# Altium PCB PCBv1.1.PcbDoc (part 1 of 2)
Units mil, origin at the board's own origin, x right, y up, seen from the top; angles counter-clockwise.
Board outline 3700.79 x 5244.09 mil, 2 copper layers (Top Layer, Bottom Layer), stack 63.6 mil thick; 127 components, 113 nets, 554 pads, 1072 vias.
Unrouted connection lines stored in the file: 3.
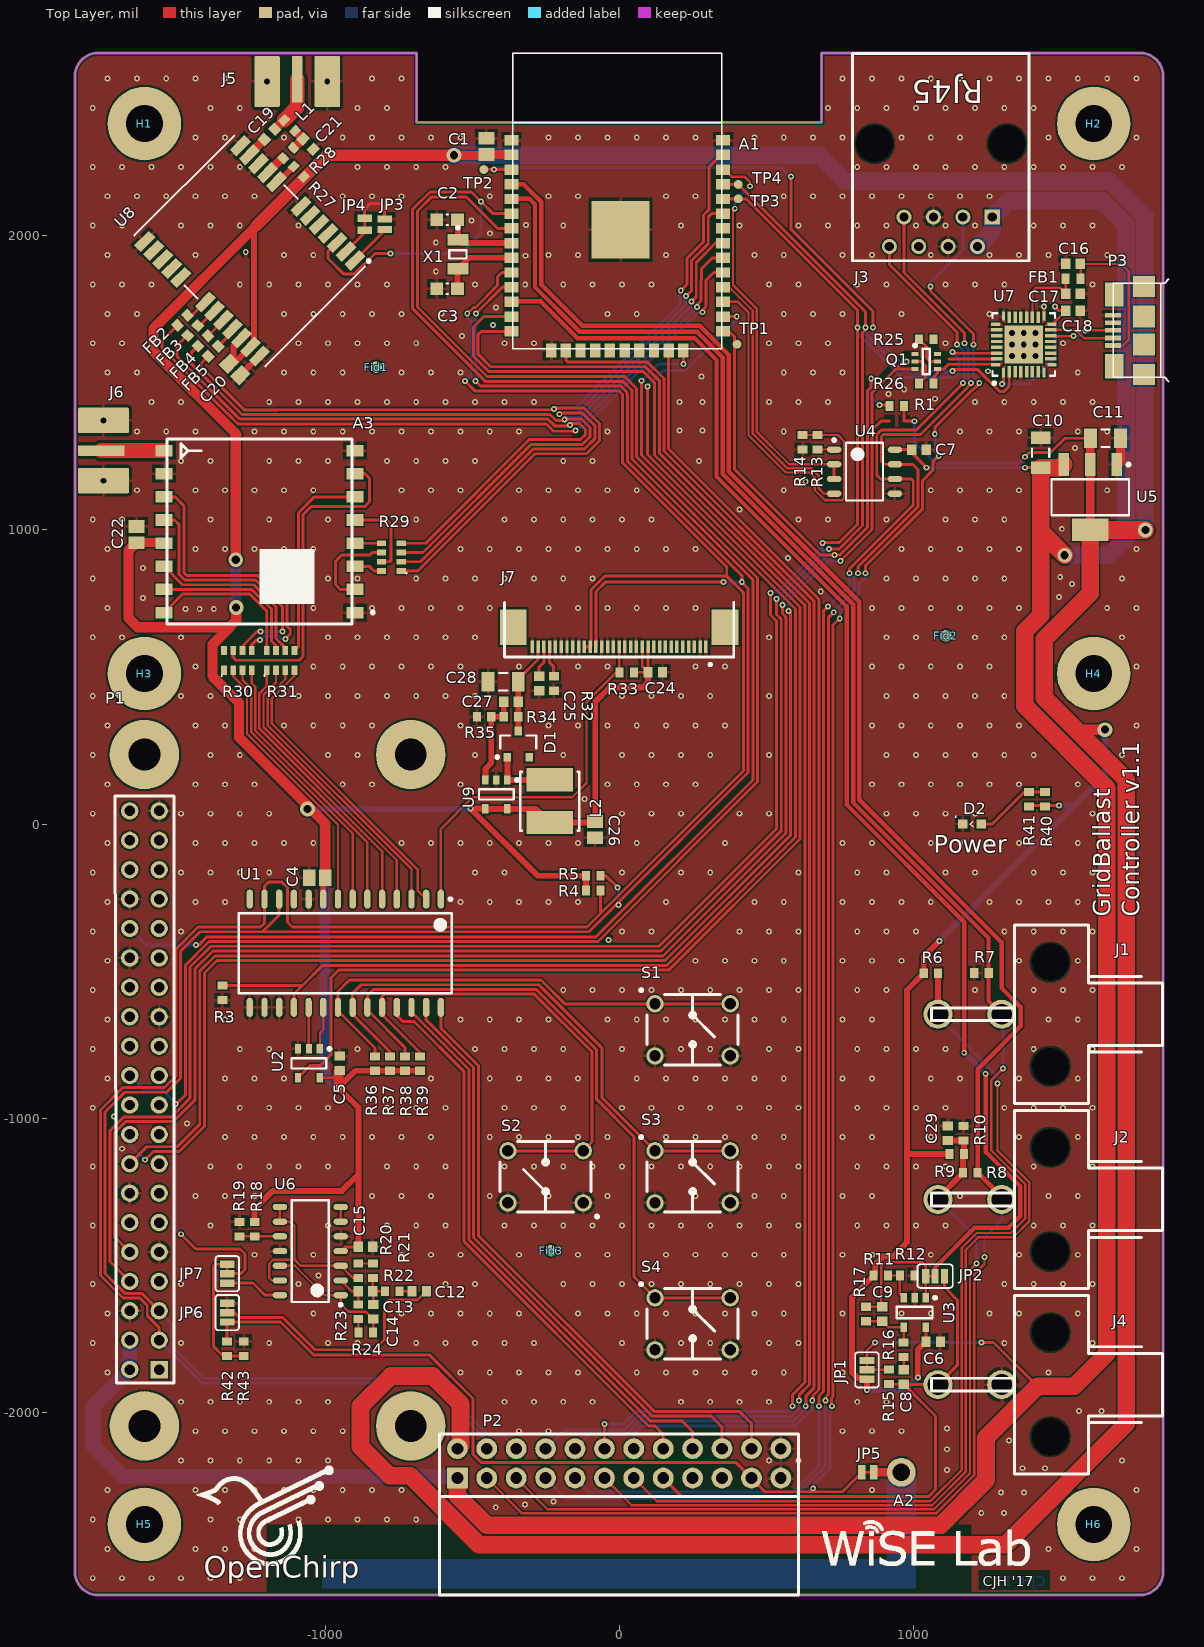
[diagram p0: Top Layer view]
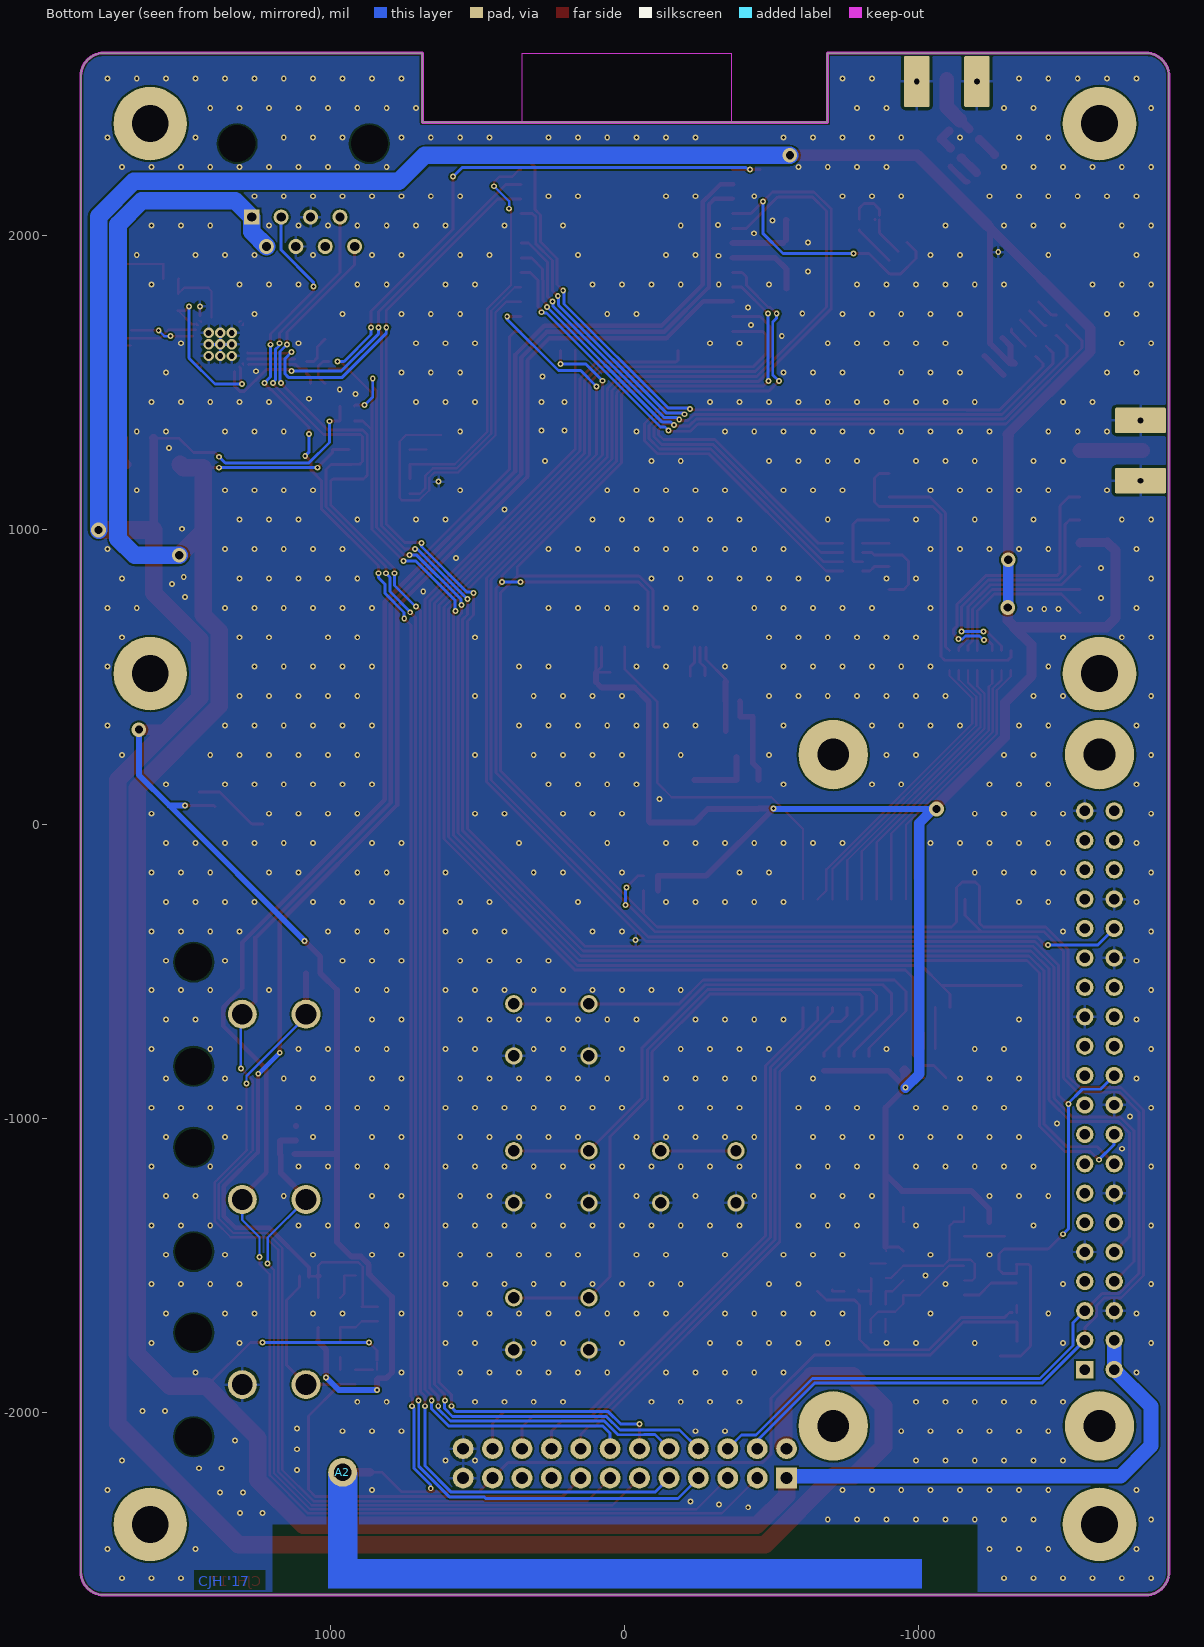
[diagram p1: Bottom Layer view, seen from below]

## Layer stack, top to bottom
Top Solder: solder mask 0.4, Solder Resist, Dk 3.5
Top Layer: signal copper 1.7
Dielectric 1: dielectric 60.2, FR-4, Dk 4.6
Bottom Layer: signal copper 1.7
Bottom Solder: solder mask 0.4, Solder Resist, Dk 3.5

## Board outline
-688.98,2622.05 -688.98,2385.83 688.98,2385.83 688.98,2622.05 1771.65,2622.05 cw(c1771.65,2543.31) 1850.39,2543.31 1850.39,-2543.31 cw(c1771.65,-2543.31) 1771.65,-2622.05 -1771.65,-2622.05 cw(c-1771.65,-2543.31) -1850.39,-2543.31 -1850.39,2543.31 cw(c-1771.65,2543.31) -1771.65,2622.05

## Design rules (kind name [scope] priority, off if disabled: settings)
BoardOutlineClearance "BoardOutlineClearance - RJ45" [HasFootprint('RJ45 Unshielded PTH Connector')] p1: gap=0 ignorepadtopadclearanceinfootprint=FALSE
BoardOutlineClearance "BoardOutlineClearance - 4.2mm Pitch" [HasFootprint('2POS 4.2MM PITCH RIGHT ANGLE')] p2: gap=0 ignorepadtopadclearanceinfootprint=FALSE
BoardOutlineClearance "BoardOutlineClearance - Right Angle 0.1inch" [HasFootprint('0.1 INCH 2 ROW 24 POS FEMALE RIGHT-ANGLE HEADER SULLINS')] p3: gap=0 ignorepadtopadclearanceinfootprint=FALSE
BoardOutlineClearance "BoardOutlineClearance - MicroUSB" [HasFootprint('MicroUSB_TypeB')] p4: gap=0 ignorepadtopadclearanceinfootprint=FALSE
BoardOutlineClearance "BoardOutlineClearance - ESP32" [HasFootprint('ESP-WROOM-32')] p5: gap=0 ignorepadtopadclearanceinfootprint=FALSE
BoardOutlineClearance [All] p6: gap=10 ignorepadtopadclearanceinfootprint=FALSE
Clearance "Clearance - Keepout Ignore" [All vs IsKeepOut] p1: gap=0 ignorepadtopadclearanceinfootprint=FALSE
Clearance "Clearance - Antenna" [InNetClass('RF50')] p2: gap=12 ignorepadtopadclearanceinfootprint=FALSE
Clearance [All] p3: gap=6 ignorepadtopadclearanceinfootprint=FALSE
ComponentClearance "Ignore Enclosure Part" [InComponent('H1')] p1: gap=0 collisioncheckmode=3 verticalgap=0 showdistances=FALSE
DiffPairsRouting [All] p1: maxlimit=10 minlimit=6 mostfreqgap=10 toplayer_minwidth=6 toplayer_maxwidth=15 toplayer_prefwidth=10 bottomlayer_minwidth=6 bottomlayer_maxwidth=15 bottomlayer_prefwidth=10 maxuncoupledlength=500
HoleSize [All] p1: absolutevalues=TRUE maxlimit=500 minlimit=8 maxpercent=80.000 minpercent=20.000
MinimumSolderMaskSliver "MinimumSolderMaskSliver - Jumpers3" [HasFootprint('PAD-JUMPER-3-2OF3_NC_BY_TRACE_YES_SILK_FULL_BOX') vs HasFootprint('PAD-JUMPER-3-2OF3_NC_BY_TRACE_YES_SILK_FULL_BOX')] p1: minsoldermaskwidth=0
MinimumSolderMaskSliver "MinimumSolderMaskSliver - Jumpers2" [HasFootprint('PAD-JUMPER-2-NO_NO_SILK') vs HasFootprint('PAD-JUMPER-2-NO_NO_SILK')] p2: minsoldermaskwidth=0
MinimumSolderMaskSliver "MinimumSolderMaskSliver - Jumpers1" [HasFootprint('PAD-JUMPER-2-NC_BY_TRACE_NO_SILK') vs HasFootprint('PAD-JUMPER-2-NC_BY_TRACE_NO_SILK')] p3: minsoldermaskwidth=0
MinimumSolderMaskSliver "MinimumSolderMaskSliver - FTDI" [HasFootprint('PQFN5X5-32_V_FTDI_BIG_VIAS_LEADS') vs HasFootprint('PQFN5X5-32_V_FTDI_BIG_VIAS_LEADS')] p4: minsoldermaskwidth=0
MinimumSolderMaskSliver [All] p5: minsoldermaskwidth=4
PolygonConnect "PolygonConnect - ViaStitching" [IsStitchingVia] p1: connectstyle=Direct reliefconductorwidth=10 reliefentries=4 polygonreliefangle="90 Angle" airgapwidth=10
PolygonConnect [All] p2: connectstyle=Relief reliefconductorwidth=10 reliefentries=4 polygonreliefangle="90 Angle" airgapwidth=10
RoomDefinition UI [InComponentClass('UI')] p1: confinementstyle=ConfineIn formatcopy=TRUE lockcomponents=FALSE outline -870,-1835 425,-1835 425,805 -870,805
RoomDefinition Mechanical [InComponentClass('Mechanical')] p2: confinementstyle=ConfineIn formatcopy=TRUE lockcomponents=FALSE outline -1755,-2520 1755,-2520 1755,2520 -1755,2520
RoomDefinition Main [InComponentClass('Main')] p3: confinementstyle=ConfineIn formatcopy=TRUE lockcomponents=FALSE outline -1770,-2610 1025,-2610 1025,2635 -1770,2635
RoomDefinition Accessories [InComponentClass('Accessories')] p4: confinementstyle=ConfineIn formatcopy=TRUE lockcomponents=FALSE outline -630,-2640 1865,-2640 1865,2640 -630,2640
RoomDefinition Power [InComponentClass('Power')] p5: confinementstyle=ConfineIn formatcopy=TRUE lockcomponents=FALSE outline -515,-85 -35,-85 -35,535 -515,535
RoomDefinition "UART and Boot" [InComponentClass('UART and Boot')] p6: confinementstyle=ConfineIn formatcopy=TRUE lockcomponents=FALSE outline 975,1460 1890,1460 1890,1940 975,1940
RoomDefinition LoRa [InComponentClass('LoRa')] p7: confinementstyle=ConfineIn formatcopy=TRUE lockcomponents=FALSE outline -2230,450 -585,450 -585,1430 -2230,1430
RoomDefinition GPS [InComponentClass('GPS')] p8: confinementstyle=ConfineIn formatcopy=TRUE lockcomponents=FALSE outline -1704.19,1479.24 -759.19,1479.24 -759.19,3009.24 -1704.19,3009.24
RoutingVias [All] p1: holewidth=10 width=20 viastyle="Through Hole" minholewidth=8 minwidth=16 maxholewidth=10 maxwidth=20
ShortCircuit "ShortCircuit - FTDI" [HasFootprint('PQFN5X5-32_V_FTDI_BIG_VIAS_LEADS') and IsPad vs HasFootprint('PQFN5X5-32_V_FTDI_BIG_VIAS_LEADS') and (IsPolygon or IsRegion)] p1: allowed=TRUE
ShortCircuit ExemptJumpers [HasFootprint('PAD-JUMPER-2-NC_BY_TRACE_NO_SILK') or HasFootprint('PAD-JUMPER-3-2OF3_NC_BY_TRACE_YES_SILK_FULL_BOX')] p2: allowed=TRUE
ShortCircuit [All] p3: allowed=FALSE
SilkToSilkClearance [All] p1: silktosilkclearance=5
SilkToSolderMaskClearance [IsPad] p1: minsilkscreentomaskgap=0 clearancetoexposedcopper=TRUE
SolderMaskExpansion [All] p1: expansion=2
Width "Width - Antenna" [InNetClass('RF50')] p1: maxlimit=10000 minlimit=6 preferedwidth=10 impedancedriven=TRUE minimp=50.000000 maximp=50.000000 favimp=50.000000
Width [All] p2: maxlimit=10000 minlimit=6 preferedwidth=10 minimp=50.000000 maximp=50.000000 favimp=50.000000
23 further rules are at their usual default settings.

## Classes and differential pairs
component class "UART and Boot": C16 C17 C18 FB1 P3 Q1 Q? R25 R26 U7
component class Power: C10 C11 C12 C13 C14 C15 D2 JP6 JP7 R18 R19 R20 R21 R22 R23 R24 R40 R41 R42 R43 U5 U6 U?
component class Main: A1 A2 C1 C2 C3 C4 C5 JP5 P1 R1 R3 R4 R5 TP1 TP2 TP3 TP4 U1 U2 X1
component class GPS: C19 C20 C21 FB2 FB3 FB4 FB5 FB? J5 JP3 JP4 JP? L1 R27 R28 U8
component class Accessories: C6 C7 C8 C9 C29 J1 J2 J3 J4 JP1 JP2 P2 R6 R7 R8 R9 R10 R11 R12 R13 R14 R15 R16 R17 U3 U4
component class LoRa: A3 C22 J6 R29 R30 R31
component class UI: C24 C25 C26 C27 C28 D1 J7 L2 R32 R33 R34 R35 R36 R37 R38 R39 S1 S2 S3 S4 U9
net class BTN[1..4]: BTN1 BTN2 BTN3 BTN4
net class DIO[0..5]: DIO0 DIO1 DIO2 DIO3 DIO4 DIO5
net class GPIO[1..8]: GPIO1 GPIO2 GPIO3 GPIO4 GPIO5 GPIO6 GPIO7 GPIO8
net class RF50: NetA3_9 NetC19_2
component class Mechanical: Fid1 Fid2 Fid3 H1 H2 H3 H4 H5 H6
differential pair USB_D: +USB_D_P -USB_D_N

## Components (designator, comment, footprint, x,y, rotation, side; value= is the part's Value field where it differs from the comment)
A1 "ESP-WROOM-32" ESP-WROOM-32 -361.24,1615.6 r0 top locked
A2 "60Hz Pickup" 60HzPickup 959.65,-2204.72 r270 bottom locked
A3 "HopeRF RFM95" RFM95/9697/98W -1223,994.5 r180 top locked
C1 "22uF" "CAPC2013X14L - CAP0805 1.45mm Tall" -451.43,2304.27 r270 top
C2 "CAP 12pF 16V 0603(1608)" CAPC0603(1608)100_M -584.85,2055.02 r0 top value=12pF
C3 "CAP 12pF 16V 0603(1608)" CAPC0603(1608)100_M -584.85,1820.39 r0 top value=12pF
C4 "10uF" "CAPC2013X14L - CAP0805 1.45mm Tall" -1026.48,-182.45 r0 top
C5 "10000pF" "CAPC1608X09L - CAP0603" -950.65,-813.99 r270 top
C6 "10000pF" "CAPC1608X09L - CAP0603" 1068.26,-1760.31 r180 top
C7 "4.7uF" "CAPC1608X09L - CAP0603" 1019.64,1273.38 r180 top
C8 "4.7uF" "CAPC1608X09L - CAP0603" 968.04,-1880.75 r90 top
C9 "100pF" "CAPC1608X09L - CAP0603" 894.91,-1666.53 r90 top
C10 "4.7uF" "CAPC3216X18L - CAP1206 1.8MM TALL" 1433.83,1262.86 r270 top
C11 "4.7uF" "CAPC3216X18L - CAP1206 1.8MM TALL" 1654.23,1311.93 r180 top
C12 "10uF" "CAPC1608X09L - CAP0603" -679.87,-1588.99 r0 top
C13 "1uF" "CAPC1608X09L - CAP0603" -862.81,-1588.99 r0 top
C14 "1uF" "CAPC1608X09L - CAP0603" -836.32,-1658.77 r90 top
C15 "10000pF" "CAPC1608X09L - CAP0603" -862.26,-1438.21 r180 top
C16 "100pF" "CAPC1608X09L - CAP0603" 1543.67,1904.7 r0 top
C17 "100pF" "CAPC1608X09L - CAP0603" 1543.67,1803.25 r180 top
C18 "100pF" "CAPC1608X09L - CAP0603" 1543.67,1745.59 r180 top
C19 "47pF" "CAPC1608X09L - CAP0603" -1188.89,2345.44 r45 top
C20 "10uF" "CAPC2013X14L - CAP0805 1.45mm Tall" -1307.77,1546.04 r135 top
C21 "10000pF" "CAPC1608X09L - CAP0603" -1057.31,2312.54 r135 top
C22 "10uF" "CAPC2013X14L - CAP0805 1.45mm Tall" -1641.08,984.42 r270 top
C24 "1uF" "CAPC1608X09L - CAP0603" 122.9,515.78 r180 top
C25 "2.2uF" "CAPC1608X09L - CAP0603" -272.06,477.96 r90 top
C26 "10uF" "CAPC2013X14L - CAP0805 1.45mm Tall" -81.97,-18.98 r90 top
C27 "0.1uF" "CAPC1608X09L - CAP0603" -367.48,416.25 r0 top
C28 "10uF" "CAPC3216X18L - CAP1206 1.8MM TALL" -394.49,483.77 r0 top
C29 "10uF" "CAPC1608X09L - CAP0603" 1118.26,-1051.56 r270 top
D1 "BAT54 Schottky Diode" "SOT95P240X120-3L - ON Semi" -342.9,271.72 r90 top
D2 "Led Blue" "LED-0603-BLUE .7MM TALL" 1200,0 r0 top locked
FB1 "Feritte Bead 62Ohm" "INDC1608X10L - FL0603" 1543.67,1853.97 r180 top
FB2 "Feritte Bead 1kOhm" FB1608X09L -1484.88,1713.43 r45 top
FB3 "Feritte Bead 1kOhm" FB1608X09L -1449.82,1678.37 r45 top
FB4 "Feritte Bead 1kOhm" FB1608X09L -1415.1,1642.9 r45 top
FB5 "Feritte Bead 1kOhm" FB1608X09L -1380.06,1607.76 r45 top
Fid1 "Fiducial" "Fiducial 1mm" -826.15,1553.96 r90 top
Fid2 "Fiducial" "Fiducial 1mm" 1111.71,639.91 r90 top
Fid3 "Fiducial" "Fiducial 1mm" -230.56,-1450.84 r90 top
H1 "1/8in Hole by 1/4in Ring Fastener" "1/8in Fastener Hole" -1614.17,2381.89 r0 top locked
H2 "1/8in Hole by 1/4in Ring Fastener" "1/8in Fastener Hole" 1614.17,2381.89 r0 top locked
H3 "1/8in Hole by 1/4in Ring Fastener" "1/8in Fastener Hole" -1614.17,511.81 r0 top locked
H4 "1/8in Hole by 1/4in Ring Fastener" "1/8in Fastener Hole" 1614.17,511.81 r0 top locked
H5 "1/8in Hole by 1/4in Ring Fastener" "1/8in Fastener Hole" -1614.17,-2381.89 r0 top locked
H6 "1/8in Hole by 1/4in Ring Fastener" "1/8in Fastener Hole" 1614.17,-2381.89 r0 top locked
J1 "4.2mm Pitch 2 Position Connector" "2POS 4.2MM PITCH RIGHT ANGLE" 1301.08,-646.85 r90 top locked
J2 "4.2mm Pitch 2 Position Connector" "2POS 4.2MM PITCH RIGHT ANGLE" 1301.08,-1276.77 r90 top locked
J3 "RJ45 Connector" "RJ45 Unshielded PTH Connector" 1094,2314 r180 top locked
J4 "4.2mm Pitch 2 Position Connector" "2POS 4.2MM PITCH RIGHT ANGLE" 1301.08,-1906.69 r90 top locked
J5 "SMA Edge Connector" "SMA Connector - Edge Mount Short" -1095,2533 r180 top locked
J6 "SMA Edge Connector" "SMA Connector - Edge Mount Short" -1761.39,1270 r270 top locked
J7 "31Pos FlatFlex Connector" "31 POSITION FLAT FLEX ZIF CONNECTOR" 0,669.29 r180 top locked
JP1 "JUMPER-PAD-3-2OF3_NC_BY_TRACE_SMALL" PAD-JUMPER-3-2OF3_NC_BY_TRACE_YES_SILK_FULL_BOX#1 842.84,-1856.41 r90 top
JP2 "JUMPER-PAD-3-2OF3_NC_BY_TRACE_SMALL" PAD-JUMPER-3-2OF3_NC_BY_TRACE_YES_SILK_FULL_BOX#2 1074.49,-1537.59 r180 top
JP3 "JUMPER-PAD-2-NO" PAD-JUMPER-2-NO_NO_SILK -797.11,2039.59 r270 top
JP4 "JUMPER-PAD-2-NC_BY_TRACENO_SILK" PAD-JUMPER-2-NC_BY_TRACE_NO_SILK -865.44,2039.59 r270 top
JP5 "JUMPER-PAD-2-NC_BY_TRACENO_SILK" PAD-JUMPER-2-NC_BY_TRACE_NO_SILK 845.69,-2204.72 r180 top
JP6 "JUMPER-PAD-3-2OF3_NC_BY_TRACE_SMALL" PAD-JUMPER-3-2OF3_NC_BY_TRACE_YES_SILK_FULL_BOX#1 -1332.48,-1661.73 r90 top
JP7 "JUMPER-PAD-3-2OF3_NC_BY_TRACE_SMALL" PAD-JUMPER-3-2OF3_NC_BY_TRACE_YES_SILK_FULL_BOX#1 -1332.48,-1529.29 r90 top
L1 "27nH" "INDC1608X09L - IND0603 0.95MM TALL" -1120.73,2375.62 r135 top
L2 "10uH" INDP4949X20L -235.99,77.43 r90 top
P1 "Raspbery Pi Zero Mate" "RASPBERRY PI ZERO" -1614.17,-905.51 r0 top locked
P2 "0.1\" Pitch, 2 Row, 24 Pos, Female, Right-Angle" "0.1 INCH 2 ROW 24 POS FEMALE RIGHT-ANGLE HEADER SULLINS" 0,-2174.41 r0 top locked
P3 "USB?" MicroUSB_TypeB 1785,1529 r90 top locked
Q1 "Dual 3904 NPN" SOT65P210X110-6L 1044.9,1573.24 r0 top
R1 "10K" "RESC1608X06L - RES0603" 944.79,1421.54 r0 top
R3 "10K" "RESC1608X06L - RES0603" -1348.95,-574.07 r90 top
R4 "4.7K" "RESC1608X06L - RES0603" -87.67,-226.63 r180 top
R5 "4.7K" "RESC1608X06L - RES0603" -87.67,-175.95 r180 top
R6 "10" "RESC1608X06L - RES0603" 1060.52,-507.41 r180 top
R7 "3M" "RESC1608X06L - RES0603" 1232.56,-506.66 r0 top
R8 "33" "RESC1608X06L - RES0603" 1194.75,-1186.09 r0 top
R9 "1K" "RESC1608X06L - RES0603" 1147.92,-1122.49 r180 top
R10 "1K" "RESC1608X06L - RES0603" 1171.7,-1051.97 r270 top
R11 "10K" "RESC1608X06L - RES0603" 890.29,-1535.37 r180 top
R12 "10K" "RESC1608X06L - RES0603" 979.69,-1535.65 r180 top
R13 "2.43K" "RESC1608X06L - RES0603" 675.18,1298.21 r270 top
R14 "4.32K" "RESC1608X06L - RES0603" 624.16,1298.21 r90 top
R15 "2.2K" "RESC1608X06L - RES0603" 917.46,-1880.45 r90 top
R16 "1.5k" "RESC1608X06L - RES0603" 967.5,-1788.64 r90 top
R17 "100K" "RESC1608X06L - RES0603" 839.91,-1666.53 r90 top
R18 "100K" "RESC1608X06L - RES0603" -1239.36,-1377.63 r90 top
R19 "100K" "RESC1608X06L - RES0603" -1291.49,-1377.63 r270 top
R20 "43" "RESC1608X06L - RES0603" -887.13,-1519.19 r90 top
R21 "91" "RESC1608X06L - RES0603" -836.5,-1519.19 r90 top
R22 "13.3K" "RESC1608X06L - RES0603" -771.08,-1588.99 r180 top
R23 "28K" "RESC1608X06L - RES0603" -886.95,-1658.77 r90 top
R24 "28K" "RESC1608X06L - RES0603" -861.93,-1728.96 r180 top
R25 "10K" "RESC1608X06L - RES0603" 1044.9,1648.5 r0 top
R26 "10K" "RESC1608X06L - RES0603" 1044.9,1498.01 r0 top
R27 "1K" "RESC1608X06L - RES0603" -1089.53,2218.69 r315 top
R28 "10" "RESC1608X06L - RES0603" -1124.75,2281.87 r45 top
R29 "100" CAC-80P319X159-8L -774.54,907.64 r180 top
R30 "100" CAC-80P319X159-8L -1296.74,556.42 r90 top
R31 "100" CAC-80P319X159-8L -1151.16,556.42 r90 top
R32 "910K" "RESC1608X06L - RES0603" -221.68,477.88 r270 top
R33 "4.7K" "RESC1608X06L - RES0603" 25.43,515.78 r0 top
R34 "205K" "RESC1608X06L - RES0603" -367.76,364.81 r0 top
R35 "23.2K" "RESC1608X06L - RES0603" -459.34,364.78 r0 top
R36 "10K" "RESC1608X06L - RES0603" -830.4,-814.64 r270 top
R37 "10K" "RESC1608X06L - RES0603" -779.25,-814.64 r270 top
R38 "10K" "RESC1608X06L - RES0603" -728.1,-814.64 r270 top
R39 "10K" "RESC1608X06L - RES0603" -676.95,-814.64 r270 top
R40 "10" "RESC1608X06L - RES0603" 1448.55,83.58 r90 top
R41 "10" "RESC1608X06L - RES0603" 1393.59,83.58 r90 top
R42 "2.43K" "RESC1608X06L - RES0603" -1333.07,-1784.45 r90 top
R43 "4.32K" "RESC1608X06L - RES0603" -1276.55,-1784.44 r270 top
S1 "17mm Tactile Switch" TactileSwitchTE17mm 250,-700 r0 top locked
S2 "17mm Tactile Switch" TactileSwitchTE17mm -250,-1200 r180 top locked
S3 "17mm Tactile Switch" TactileSwitchTE17mm 250,-1200 r0 top locked
S4 "17mm Tactile Switch" TactileSwitchTE17mm 250,-1700 r0 top locked
TP1 "Test Point" TestPoint1 401.28,1631.38 r90 top
TP2 "Test Point" TestPoint1 -460.49,2225.78 r90 top
TP3 "Test Point" TestPoint1 405.28,2126.1 r90 top
TP4 "Test Point" TestPoint1 405.29,2175.01 r90 top
U1 "I2C 16CH IO Expander" SOIC127P1030X265-28L -931.05,-439.61 r270 top locked
U2 "Single OR Gate" SOT95P280X140-5L -1054.84,-813.99 r270 top
U3 "88MHz Single OP-Amp" SOT95P280X145-5L 1004.91,-1661.53 r270 top
U4 "TI SN65176B" SOIC127P600X175-8L 834.64,1198.38 r0 top
U5 "AP2114H-3.3TRG1" SOT230P700X180-4L 1602.21,1111.3 r270 top
U6 "1MHz Quad OP-Amp" SOIC127P600X175-14L -1050.18,-1452.4 r180 top
U7 "FT232RQ-Reel" PQFN5X5-32_V_FTDI_BIG_VIAS_LEADS 1376.15,1631.09 r90 top locked
U8 "NEO-M8T" NEO -1255.73,1949.2 r45 top locked value=NEO-M8
U9 "FAN5331 Boost Converter" "SOT95P280X145-5L - ON Semi" -417.21,100.75 r270 top
X1 "14340272-32.768KHz" ITTI-14340272-32.768KHz-2_V -548.4,1937.05 r270 top

## Footprints (in the part's own frame and the unit in brackets; to place one, negate y for a bottom-side part, rotate by r counter-clockwise, add the part's x,y. Pads: shape width x height; smd on the part's side, far side on the other; paste and mask are expansions set on the pad)
"0.1 INCH 2 ROW 24 POS FEMALE RIGHT-ANGLE HEADER SULLINS" [mm] "Sullins 0.1\" Dual row 24 position female right-angle header"
  rect 1.8x1.8 hole 1.02: 1(-13.97,-1.27)
  round 1.8 hole 1.02: 2(-13.97,1.27) 3(-11.43,-1.27) 4(-11.43,1.27) 5(-8.89,-1.27) 6(-8.89,1.27) 7(-6.35,-1.27) 8(-6.35,1.27) 9(-3.81,-1.27) 10(-3.81,1.27) 11(-1.27,-1.27) 12(-1.27,1.27) 13(1.27,-1.27) 14(1.27,1.27) 15(3.81,-1.27) 16(3.81,1.27) 17(6.35,-1.27) 18(6.35,1.27) 19(8.89,-1.27) 20(8.89,1.27) 21(11.43,-1.27) 22(11.43,1.27) 23(13.97,-1.27) 24(13.97,1.27)
  silkscreen extent -15.5,-11.37 15.5,2.54, body extent -15.49,-11.34 15.49,1.5, height 5.08
"1/8in Fastener Hole" [mil]
  round 250 hole 125: 1(0,0)
"2POS 4.2MM PITCH RIGHT ANGLE" [mm] "2position 4.2mm picth right angle with screw support (TE 1586043-2)"
  round 0 hole 3.2 unplated: 0(-4.5,-4.2) 0(4.5,-4.2)
  round 2.5 hole 1.8: 1(0,0) 2(0,5.5)
  silkscreen extent -7.7,-13.9 7.7,6.05, body extent -7.7,-13.9 7.7,6.06, height 10.9
"31 POSITION FLAT FLEX ZIF CONNECTOR" [mm] "TE 3-1734839-1 31 Position Flat Flex ZIF Connector"
  rect 2.3x3.1 smd: 0(-9.15,0) 0(9.15,0)
  rect 0.3x1.1 smd mask+0.02: 1(-7.5,1.7) 2(-7,1.7) 3(-6.5,1.7) 4(-6,1.7) 5(-5.5,1.7) 6(-5,1.7) 7(-4.5,1.7) 8(-4,1.7) 9(-3.5,1.7) 10(-3,1.7) 11(-2.5,1.7) 12(-2,1.7) 13(-1.5,1.7) 14(-1,1.7) 15(-0.5,1.7) 16(0,1.7) 17(0.5,1.7) 18(1,1.7) 19(1.5,1.7) 20(2,1.7) 21(2.5,1.7) 22(3,1.7) 23(3.5,1.7) 24(4,1.7) 25(4.5,1.7) 26(5,1.7) 27(5.5,1.7) 28(6,1.7) 29(6.5,1.7) 30(7,1.7) 31(7.5,1.7)
  silkscreen extent -9.91,-2.15 9.91,3.33, body extent -10.47,-3.07 10.46,2.04, height 2
60HzPickup [mm] "This is a small straight trace antenna with an avaliable via for external pickup"
  round 2.5 hole 1.5 paste-10: 1(0,0)
  Top Layer region: 0,1.25 0,-1.25 10,-1.25 10,50 7.5,50 7.5,1.25
CAC-80P319X159-8L [mm] "Chip Array, ConvexE, 8-Leads, Pitch 0.80mm,  Body 3.20x1.60mm,  IPC High Density"
  rect 0.8x0.5 smd: 1(-0.85,1.2) 2(-0.85,0.4) 3(-0.85,-0.4) 4(-0.85,-1.2) 5(0.85,-1.2) 6(0.85,-0.4) 7(0.85,0.4) 8(0.85,1.2)
  silkscreen extent -1.36,1.34 -1.26,1.44, body extent -0.92,-1.68 0.92,1.68, height 0.7
CAPC0603(1608)100_M [mm] "Chip Capacitor, Body 1.6x0.8mm, Height 1.0mm, IPC Low Density"
  rect 1.1x1.1 smd: 1(-0.9,0) 2(0.9,0)
  silkscreen extent -0.05,-0.45 0.05,0.45, body extent -0.87,-0.47 0.88,0.48, height 1
"CAPC1608X09L - CAP0603" [mm] "Chip Capacitor, 2-Leads, Body 1.60x0.80mm, IPC High Density"
  rect 0.8x0.9 smd: 1(-0.625,0) 2(0.625,0)
  body extent -0.87,-0.48 0.87,0.48, height 0.9
"CAPC2013X14L - CAP0805 1.45mm Tall" [mm] "Chip Capacitor, 2-Leads, Body 2.00x1.30mm, IPC High Density"
  rect 1.1x1.4 smd: 1(-0.7,0) 2(0.7,0)
  body extent -1.1,-0.72 1.1,0.73, height 1.45
"CAPC3216X18L - CAP1206 1.8MM TALL" [mm] "Chip Capacitor, 2-Leads, Body 3.20x1.60mm, IPC High Density"
  rect 1.1x1.7 smd: 1(-1.3,0) 2(1.3,0)
  silkscreen extent -0.35,-0.75 0.35,0.75, body extent -1.7,-0.9 1.7,0.9, height 1.8
ESP-WROOM-32 [mm] "ESP WROOM 32 Module"
  rect 5x5 smd: 0(9.3,10.3)
  rect 1.2x0.9 smd: 1(-0.127,18.034) 2(-0.127,16.764) 3(-0.127,15.494) 4(-0.127,14.224) 5(-0.127,12.954) 6(-0.127,11.684) 7(-0.127,10.414) 8(-0.127,9.144) 9(-0.127,7.874) 10(-0.127,6.604) 11(-0.127,5.334) 12(-0.127,4.064) 13(-0.127,2.794) 14(-0.127,1.524) 25(18.161,1.524) 26(18.161,2.794) 27(18.161,4.064) 28(18.161,5.334) 29(18.161,6.604) 30(18.161,7.874) 31(18.161,9.144) 32(18.161,10.414) 33(18.161,11.684) 34(18.161,12.954) 35(18.161,14.224) 36(18.161,15.494) 37(18.161,16.764) 38(18.161,18.034)